# Altium PCB MB988.PcbDoc (part 3 of 4) (continued)
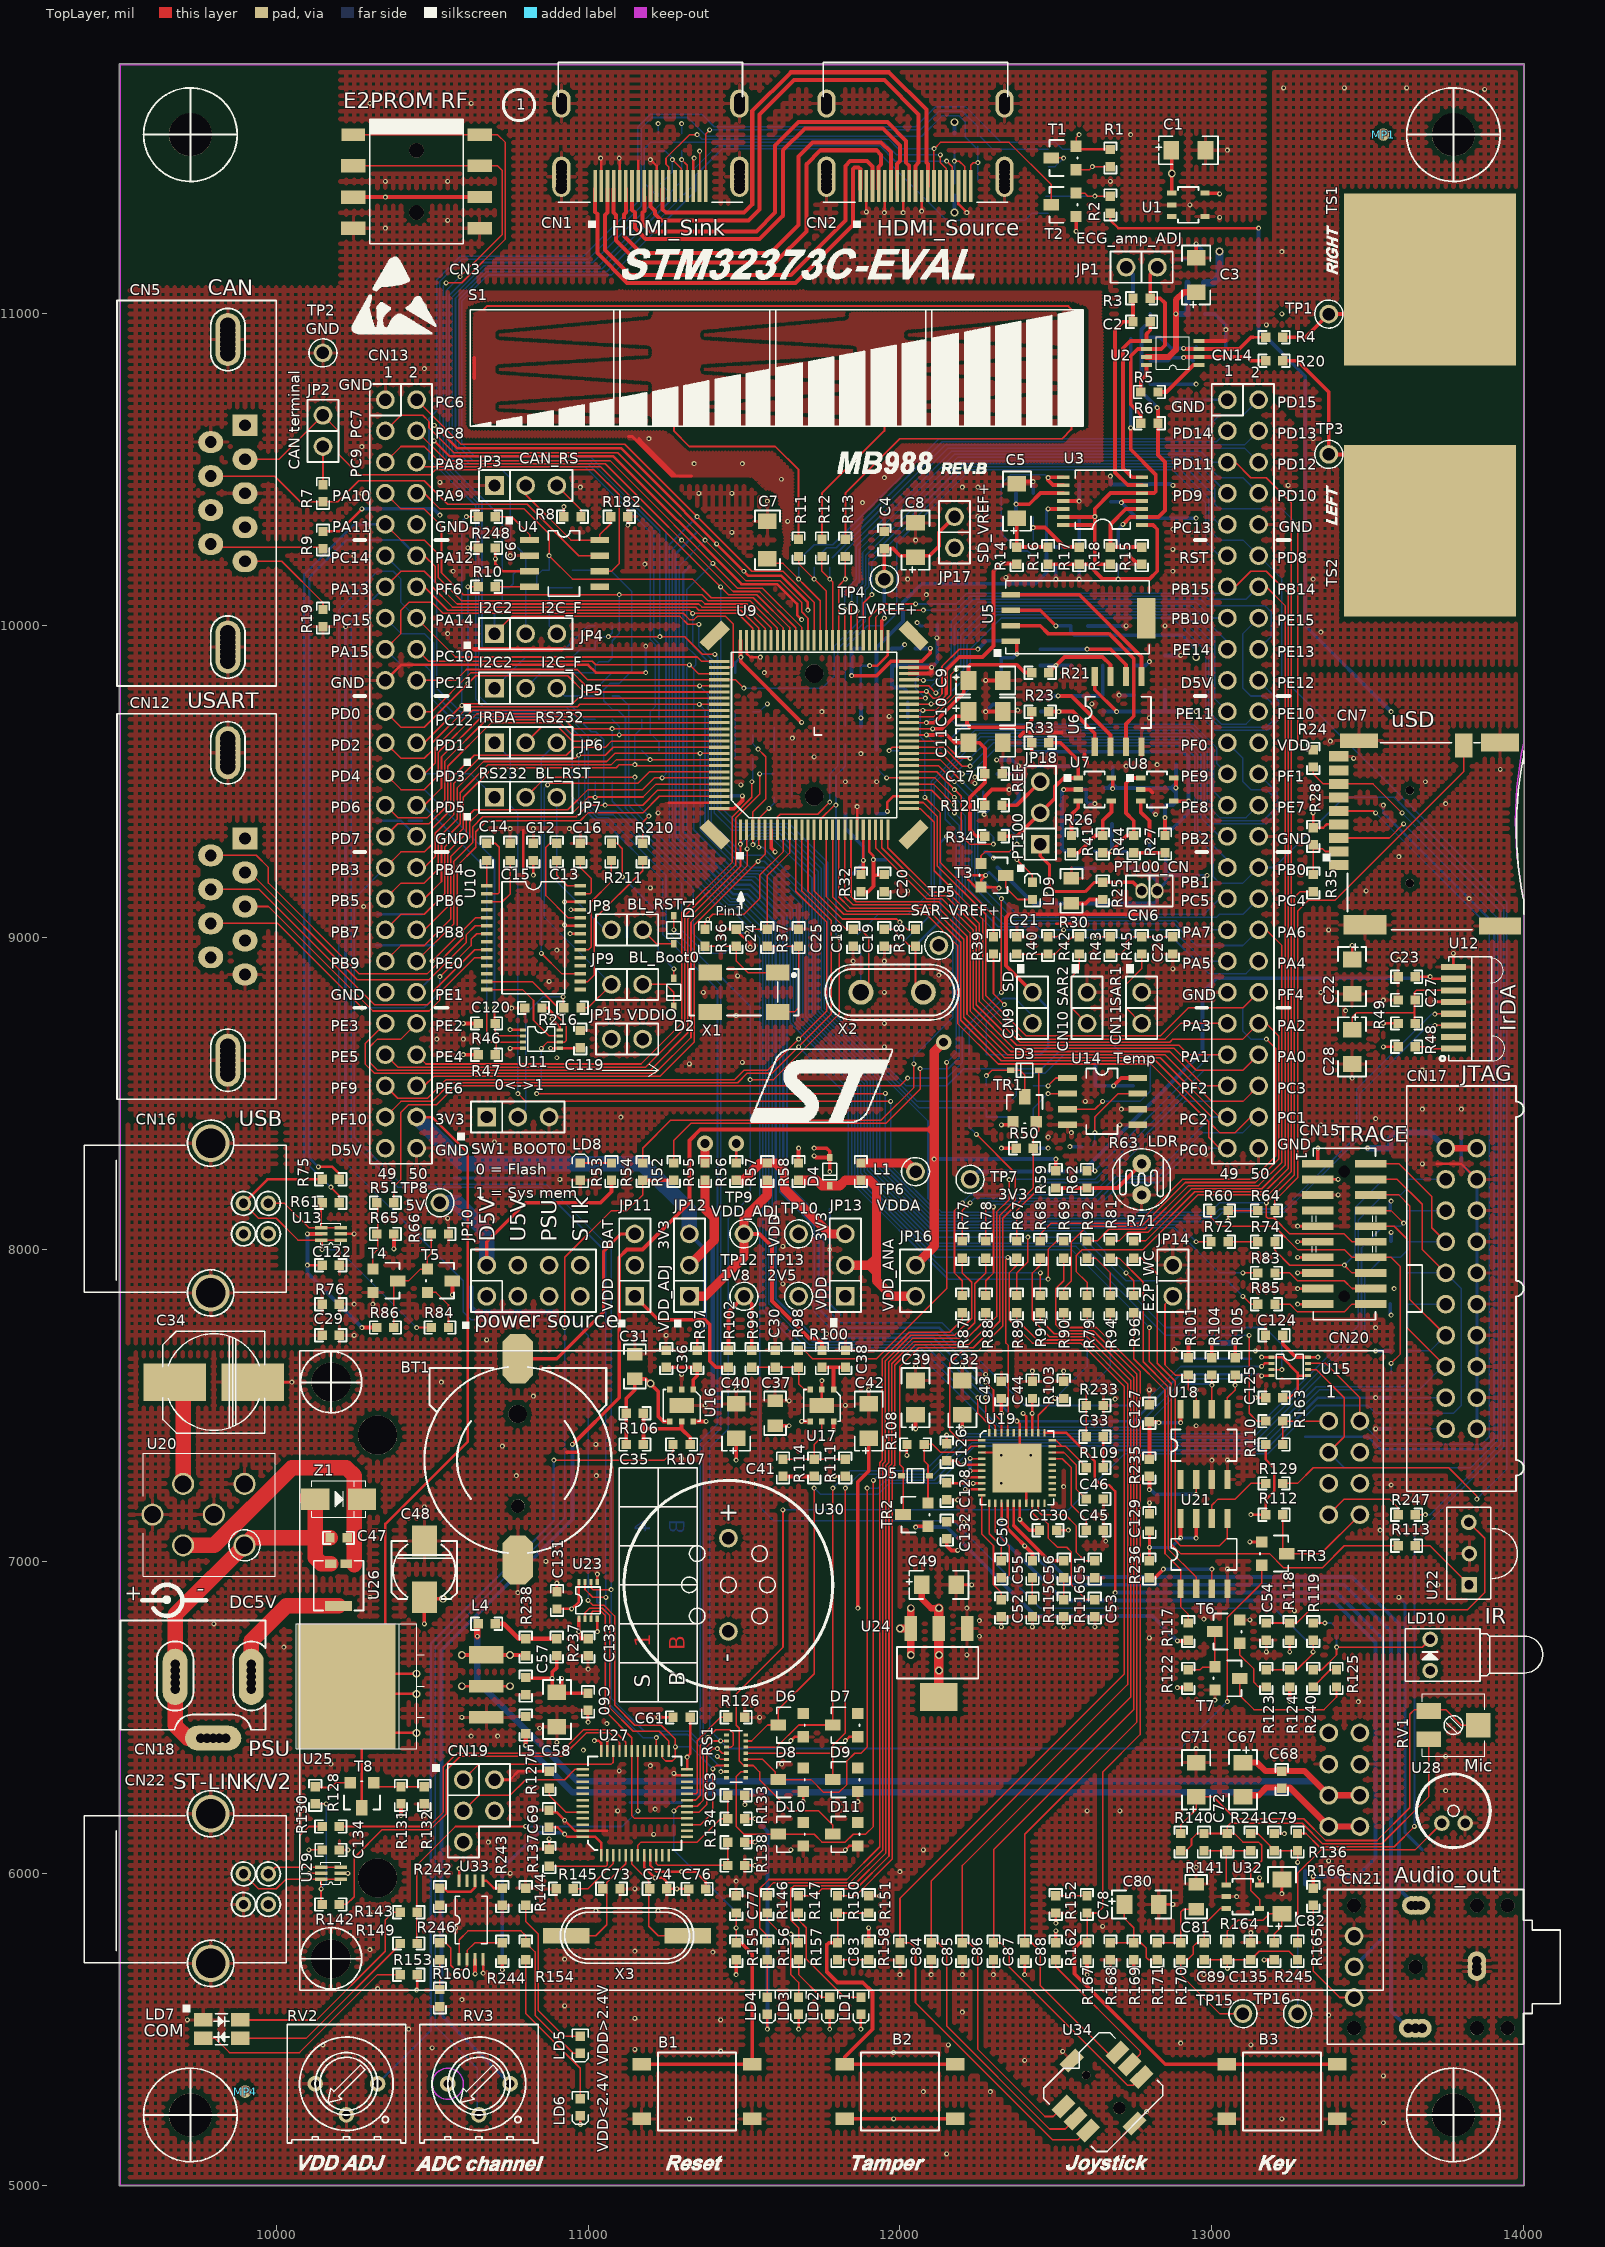
[diagram p0: TopLayer view]
## Nets (pads, with @x,y where several pads share a name; then routed paths per layer and width w, separated by ;. In a path a pad name is that pad's centre, name@x,y a point inside that pad or via, vN(x,y) a via of type N, cw(c..) or ccw(c..) an arc to the next point about the centre after c; other vN are vias at no path point) (continued)
NetU10_6: CN12.2 U10.6 | length 1004.3
  TopLayer w5: CN12.2@9900,9209 9916,9209 10260,8865 10490,8865 10610,8985 10610,9010 10638.39,9038.39 U10.6@10675.39,9038.39
NetU10_7: CN12.8 U10.7 | length 1137.1
  TopLayer w5: CN12.8@9790,9046 10004,9046 v1(10275,8775) ; v1(10525,8875) 10625,8975 10625,8995 10642.8,9012.8 U10.7@10675.39,9012.8
  BottomLayer w5: v1(10275,8775) 10475,8775 10525,8825 v1(10525,8875)
NetU10_9: CN12.7 U10.9 | length 1126.5
  TopLayer w5: CN12.7@9790,9155 9945,9155 10315,8785 10485,8785 10500,8800 10500,8825 10636.61,8961.61 U10.9@10675.39,8961.61
NetU10_10: CN12.3 U10.10 | length 999.6
  TopLayer w5: CN12.3@9900,9100 9975,9100 10310,8765 10490,8765 10525,8800 10525,8825 10636.02,8936.02 U10.10@10675.39,8936.02
NetU10_27: C16.1 U10.27 | length 154
  TopLayer w5: U10.27@10974.61,9140.75 11005.75,9140.75 11010,9145 11010,9190 10975.28,9224.72 C16.1@10975.28,9247.44
NetU14_7: R219.2 SB27.1 U14.7 | length 313.5
  TopLayer w5: v1(12625,8375) 12625,8425 12700,8500 U14.7@12762.5,8500
  BottomLayer w5: SB27.1@12618,8333 12625,8340 R219.2@12625,8422.5 ; R219.2@12627.5,8422.5 R219.2@12627.5,8425
NetU17_3: C30.1 R98.2 R99.1 U17.3 | length 250.7
  TopLayer w5: R99.1@11525,7622.5 C30.1@11600.28,7622.5 ; C30.1@11600.22,7622.5 C30.1@11600.28,7622.44 ; C30.1@11600.28,7619.72 C30.1@11600.28,7622.44 ; U17.3@11712.6,7551.18 11693.82,7551.18 11675,7570 R98.2@11675,7622.5 11674.94,7622.44 C30.1@11600.28,7622.44
NetU18_5: R105.1 R187.1 U18.5 | length 4055
  TopLayer w5: U18.5@13050,7487.5 13050,7525 13075,7550 R105.1@13075,7597.5
  BottomLayer w5: R187.1@11077.5,9775 11100,9775 11130,9745 11130,9425 11450,9105 11485,9105 11570,9020 11570,7815 11700,7685 12065,7685 12320,7430 12755.86,7430 12910.86,7585 13055,7585 v1(13075,7565)
NetU18_6: R104.1 R195.1 U18.6 | length 4591.1
  TopLayer w5: U18.6@13000,7487.5 R104.1@13000,7597.5
  BottomLayer w5: R195.1@10950,10177.5 11072.5,10177.5 11140,10110 11140,9855 11100,9815 11070,9815 11050,9795 11050,9760 11080,9730 11095,9730 11120,9705 11120,9415 11440,9095 11475,9095 11560,9010 11560,7805 11690,7675 12050.86,7675 12305.86,7420 12770,7420 12918.94,7568.94 12996.06,7568.94 v1(13000,7565)
NetU18_7: JP14.1 R101.2 U18.7 | length 439.2
  TopLayer w5: JP14.1@12875,7850 12850,7825 12850,7630 12882.5,7597.5 R101.2@12925,7597.5 12925,7550 12950,7525 U18.7@12950,7487.5
NetU19_4: U19.4 U19.6 U30.1 | length 1034
  TopLayer w5: v1(12225,7330) 12225.47,7329.53 U19.4@12262.01,7329.53
  TopLayer w8: v1(12225,7290.16) U19.6@12262.01,7290.16
  VCC w12: U30.1@11450,7074.61 12074.61,7074.61 12115,7115 12115,7210 12195.16,7290.16 v1(12225,7290.16)
  BottomLayer w12: v1(12225,7290.16) v1(12225,7330)
NetU19_7: U19.7 U19.9 U30.2 | length 1259.2
  TopLayer w5: v1@12210,7230 v1(12210,7231.1)
  TopLayer w8: v1(12210,7231.1) U19.9@12262.01,7231.1 ; v1(12210.47,7270.47) U19.7@12262.01,7270.47
  VCC w12: U30.2@11450,6775.39 11450,6960 11535,7045 12090,7045 12145,7100 12145,7200 12175,7230 v1@12210,7230
  BottomLayer w12: v1(12210,7231.1) 12210.47,7231.57 v1(12210.47,7270.47)
NetU19_14: C55.2 CN21.3 U19.14 | length 2801
  TopLayer w8: 12345.47,7104.53 U19.14@12345.47,7187.01
  TopLayer w12: 12345.47,7104.53 12425,7025 C55.2@12425,7002.5
  BottomLayer w12: v1(12400,7050) 12525,6925 13425,6925 13575,6775 13575,5558.15 CN21.3@13630,5503.15
NetU19_15: C56.2 CN21.2 U19.15 | length 2413.6
  TopLayer w8: 12365.16,7114.84 U19.15@12365.16,7187.01
  TopLayer w12: 12365.16,7114.84 12477.5,7002.5 C56.2@12525,7002.5
  BottomLayer w12: v1(12475,7005) 12530,6950 13450,6950 13600,6800 13600,5950 CN21.2@13653.15,5896.85
NetU19_18: C53.2 U19.18 | length 435.1
  TopLayer w5: U19.18@12424.21,7187.01 12424.21,7155.79 12445,7135 12460,7135 12475,7120 12475,7075 12505,7045 12535,7045 12550,7030 12550,6925 12597.5,6877.5 C53.2@12625,6877.5
NetU19_19: C51.2 U19.19 | length 322.5
  TopLayer w5: U19.19@12443.9,7187.01 12443.9,7161.1 12455,7150 12530,7150 12565,7115 12565,7030 12592.5,7002.5 C51.2@12625,7002.5
NetU19_27: C45.2 U19.27 | length 293.9
  TopLayer w5: U19.27@12487.99,7329.53 12520.47,7329.53 12550,7300 12550,7180 12597.5,7132.5 C45.2@12597.5,7100
NetU19_28: C46.2 U19.28 | length 216.7
  TopLayer w5: U19.28@12487.99,7349.21 12525.79,7349.21 12565,7310 12565,7232.5 C46.2@12597.5,7200
NetU19_29: R109.2 U19.29 U19.30 | length 179.7
  TopLayer w5: U19.29@12487.99,7368.9 12531.1,7368.9 12597.5,7302.5 R109.2@12597.5,7300 ; U19.30@12487.99,7388.58 12500.32,7388.58 12520,7368.9
NetU19_31: CN21.5 U19.31 | length 2672.4
  TopLayer w8: U19.31@12463.58,7412.99 12532.01,7412.99 12625,7320 12625,7265 12645,7245 12670,7245 12690,7225 v1(12690,6900)
  BottomLayer w12: v1(12690,6900) 13400,6900 13550,6750 13550,5793.7 CN21.5@13456.3,5700
NetU21_3: R236.2 U21.3 | length 273.9
  TopLayer w5: U21.3@13000,6912.5 v1(13000,6975)
  TopLayer w12: R236.2@12800,6947.5 12817.5,6947.5 v1(12845,6975)
  BottomLayer w12: v1(12845,6975) v1(13000,6975)
NetU22_3: C54.1 R118.1 U22.3 | length 984
  TopLayer w5: C54.1@13177.5,6802.5 13272.5,6802.5 13315,6845 13820,6845 13875,6900 13875,7074 U22.3@13824,7125
NetU26_3: C47.1 U20.1 U26.3 Z1.2 | length 946.7
  TopLayer w50: U20.1@9701.57,7051.57 9801.57,7051.57 10050,7300 10225,7300 10250,7275 10250,6990
NetU27_20: R126.1 U27.20 | length 328.8
  TopLayer w5: U27.20@11317.32,6254.53 11345,6254.53 11350,6259.53 11350,6425 11425,6500 R126.1@11447.5,6500
NetU27_44: R127.2 U27.44 | length 152.8
  TopLayer w5: R127.2@10875,6272.5 10875,6250 10929.53,6195.47 U27.44@10982.68,6195.47
NetU28_2: R165.2 U28.2 | length 751.6
  TopLayer w5: R165.2@13275,5777.5 13275,6000 13350,6075 13651.97,6075 U28.2@13737.6,6160.63
NetU33_1: LD5.1 R154.2 U33.1 | length 757.1
  TopLayer w5: U33.1@10586.61,5724.02 10586.61,5786.61 10615,5815 10785,5815 10800,5800 R154.2@10800,5777.5 10830,5747.5 10830,5545 10952.5,5422.5 LD5.1@10975,5422.5
NetX1_4: C25.1 R37.1 X1.4 | length 369.6
  TopLayer w5: R37.1@11575,8972.5 C25.1@11675,8972.5 11675,8775 11662.01,8762.01 X1.4@11608.27,8762.01
OSC_IN: C73.2 U27.5 X3.2 | length 392.2
  TopLayer w5: X3.2@10930,5800 11025,5800 11060,5835 11060,5970 11120.47,6030.47 U27.5@11120.47,6057.68
OSC_OUT: C74.2 U27.6 X3.1 | length 387.8
  TopLayer w5: U27.6@11140.16,6057.68 11140.16,6029.84 11195,5975 11195,5830 11225,5800 X3.1@11320,5800
PA0: CN14.44 R150.2 U9.23 | length 5372.1
  TopLayer w5: R150.2@11800,5927.5 11857.5,5927.5 11975,6045 11975,7299.79 11983.64,7308.43 11983.64,7628.64 12050,7695 12220,7695 12310,7785 12310,8120 12350,8160 v1(12350,8224) ; U9.23@11921.85,9345.87 11921.85,9288.15 12085,9125 12135,9125 12235,9025 12235,8775 12365,8645 12880,8645 12950,8575 13100,8575 CN14.44@13150,8625
  BottomLayer w5: v1(12350,8224) 12351,8225 12625,8225 12975,8575 13100,8575 CN14.44@13150,8625
PA1: CN14.43 R62.2 U9.24 | length 2191.4
  TopLayer w5: U9.24@11941.53,9345.87 11941.53,9288.47 12095,9135 12145,9135 12245,9035 12245,8785 12375,8655 12895,8655 12925,8625 CN14.43@13050,8625 ; R62.2@12600,8252.5 v1(12625,8252.5)
  BottomLayer w5: v1(12625,8252.5) 12997.5,8625 CN14.43@13050,8625
PA2: CN14.42 R90.2 U9.25 | length 3109.7
  TopLayer w5: U9.25@11961.22,9345.87 11961.22,9288.78 12105,9145 12155,9145 12255,9045 12255,8795 12385,8665 12865,8665 12875,8675 13100,8675 CN14.42@13150,8725 13175,8725 13215,8685 13215,8290 13140,8215 12915,8215 12775,8075 12600,8075 12550,8025 12550,7900 12525,7875 R90.2@12525,7852.5
PA3: CN14.41 R54.1 U9.26 | length 3287
  TopLayer w5: R54.1@11175,8277.5 11175,8325 11265,8415 11940,8415 12045,8520 v1(12045,8595) ; U9.26@12029.13,9413.78 12066.22,9413.78 12110,9370 12110,9215 12265,9060 12265,8805 12395,8675 12850,8675 12900,8725 CN14.41@13050,8725
  BottomLayer w5: v1(12045,8595) 12045,8620 12170,8745 12170,9155 v1(12160,9165)
PA4: CN14.38 R43.1 U9.29 | length 1578.4
  TopLayer w5: U9.29@12029.13,9472.83 12102.17,9472.83 v1(12175,9400) ; v1(12625,9000) 12627.5,9002.5 R43.1@12675,9002.5
  BottomLayer w5: v1(12175,9400) 12200,9375 12200,9125 12300,9025 12425,9025 12450,9000 12875,9000 12990,8885 13110,8885 CN14.38@13150,8925
PA5: CN14.37 R40.1 U9.30 | length 1461.7
  TopLayer w5: U9.30@12029.13,9492.52 12107.48,9492.52 v1(12175,9425) ; R40.1@12475,9002.5 12502.5,9002.5 v1(12525,9025)
  BottomLayer w5: v1(12175,9425) 12210,9390 12210,9140 12315,9035 12440,9035 12450,9025 12875,9025 12975,8925 CN14.37@13050,8925
PA6: CN14.36 R92.1 R201.1 U9.31 | length 3151.4
  TopLayer w5: v1(11957.2,9512.2) 12112.8,9512.2 v1(12175,9450) ; R92.1@12600,8027.5 12632.5,8027.5 12670,8065 12785,8065 12925,8205 13150,8205 13225,8280 13225,8975 13175,9025 CN14.36@13150,9025
  BottomLayer w5: R201.1@11925,9547.5 11925,9544.41 v1(11957.2,9512.2) ; v1(12175,9450) 12220,9405 12220,9155 12330,9045 12880,9045 12950,8975 13100,8975 CN14.36@13150,9025
PA7: CN14.35 R22.2 U9.32 | length 1709.4
  TopLayer w5: U9.32@12029.13,9531.89 12118.11,9531.89 12196.5,9453.5 12196.5,9328.5 12225,9300 v1(12300,9300)
  BottomLayer w5: v1(12175,9475) 12230,9420 12230,9170 12345,9055 12884.14,9055 12914.14,9025 CN14.35@13050,9025 ; R22.2@12272.5,9350 12300,9322.5 v1(12300,9300)
PA8: CN13.6 R215.2 U9.67 | length 4193.7
  TopLayer w5: CN13.6@10450,10525 10465,10510 11040,10510 11450,10100 11541.26,10100 11646.26,9995 U9.67@11646.26,9954.13
  BottomLayer w5: v1(11425,10125) 11425,9420 11480,9365 11645,9365 11768,9242 11768,8776.71 12019.71,8525 12150,8525 12205,8580 12455,8580 12530,8655 12685,8655 12715,8625 R215.2@12747.5,8625
PA9: CN13.8 JP4.2 R186.1 R189.1 U9.68 | length 1771
  TopLayer w5: CN13.8@10450,10425 10475,10425 10525,10375 10795,10375 10875,10295 v1(10875,10225) 10950,10150 11335,10150 11395,10090 11530,10090 11626.57,9993.43 U9.68@11626.57,9954.13
  BottomLayer w5: CN13.8@10450,10425 CN13.8@10475,10425 ; JP4.2@10800,9975 R189.1@10800,10122.5 10827.5,10122.5 10835,10130 10835,10160 10852.5,10177.5 R186.1@10875,10177.5 v1(10875,10225)
PA10: CN13.7 JP5.2 R191.1 R192.1 U9.69 | length 2105.5
  TopLayer w5: CN13.7@10350,10425 10400,10375 10475,10375 10530,10320 10530,10170 10600,10100 11365,10100 11385,10080 11520,10080 11606.89,9993.11 U9.69@11606.89,9954.13
  BottomLayer w5: JP5.2@10800,9800 10850,9850 R191.1@11022.5,9850 11022.5,9872.5 11035,9885 11065,9885 11077.5,9897.5 11077.5,9952.5 11100,9975 v1(11100,10100)
PA11: CN13.9 R61.1 U9.70 | length 3845.3
  TopLayer w5: v1(10175,8200) 10202.5,8172.5 R61.1@10202.5,8150 ; CN13.9@10350,10325 10400,10275 10475,10275 10520,10230 10520,10155 10595,10080 11365,10080 11375,10070 11510,10070 11587.2,9992.8 U9.70@11587.2,9954.13
  BottomLayer w7.5: v1(10175,8200) 10090,8285 10090,10165 10188.98,10263.98
  BottomLayer w8: 10188.98,10263.98 10250,10325 CN13.9@10350,10325
PA12: CN13.12 R75.1 U9.71 | length 3692.5
  TopLayer w5: CN13.12@10450,10225 10475,10225 10510,10190 10510,10140 10580,10070 11355,10070 11365,10060 11500,10060 11567.52,9992.48 U9.71@11567.52,9954.13
  TopLayer w8: v1(10135,8265) 10180,8265 10202.5,8242.5 R75.1@10202.5,8225
  BottomLayer w7.5: v1(10135,8265) 10106.4,8293.6 10106.4,10156.4 10225,10275 10400,10275 CN13.12@10450,10225
PA13: CN13.13 RS1.13 U9.72 U23.7 U27.27 | length 6213.6
  TopLayer w5: CN13.13@10350,10125 10400,10175 10475,10175 10500,10150 10500,10125 10565,10060 11345,10060 11355,10050 11490,10050 11547.83,9992.17 U9.72@11547.83,9954.13 ; U23.7@10990.16,6934.06 10990.16,6909.84 11015,6885 v1(11056.96,6885) ; U27.27@11218.9,6392.32 v1(11218.9,6435) ; v1(11425.79,6325.79) RS1.13@11444,6325.79
  BottomLayer w5: CN13.13@10350,10125 10240,10015 10240,8350 10390,8200 10850,8200 11056.96,7993.04 11056.96,6553.04 11175,6435 v1(11218.9,6435) 11228.9,6445 11320,6445 11425.79,6339.21 v1(11425.79,6325.79)
PA14: CN13.16 RS1.11 U9.76 U27.15 U27.26 | length 6332.4
  TopLayer w5: CN13.16@10450,10025 10575,9900 11350,9900 11363.78,9886.22 U9.76@11420.87,9886.22 ; v1(11000,6875) 11015,6860 11050,6860 11085,6825 11085,6540 11150,6475 11235,6475 11280,6430 11280,6370 11270,6360 11248.58,6360 11238.58,6370 U27.26@11238.58,6392.32 ; U27.15@11317.32,6156.1 11361.1,6156.1 11400,6195 v1(11400,6335) 11410.47,6345.47 RS1.11@11444,6345.47
  BottomLayer w5: CN13.16@10450,10025 10400,10075 10400,10150 10375,10175 10325,10175 10200,10050 10200,8300 10600,7900 10600,7800 10625,7775 10950,7775 11000,7725 v1(11000,6875) ; v1(11280,6405) 11330,6405 v1(11400,6335)
PA15: CN13.17 RS1.7 U9.77 U27.17 | length 6026.6
  TopLayer w5: CN13.17@10350,9925 10400,9975 10400,10050 10425,10075 10500,10075 10535,10040 11305,10040 11325,10020 11340,10020 11350,10030 11441.36,10030 11465,10006.36 11465,9870 11461.53,9866.53 U9.77@11420.87,9866.53 ; U27.17@11317.32,6195.47 11355.47,6195.47 11380,6220 11380,6380 11400,6400 v1(11415,6400) 11430.16,6384.84 RS1.7@11444,6384.84
  BottomLayer w5: CN13.17@10350,9925 10400,9875 10475,9875 10495,9855 10495,9770 10560,9705 10890,9705 10950,9645 10950,9450 11025,9375 11050,9375 11240,9185 11240,9010 11415,8835 11415,7440 11360,7385 11360,6434.68 11394.68,6400 v1(11415,6400)
PB0: CN14.32 R136.1 U9.35 | length 6091.4
  TopLayer w5: U9.35@12029.13,9590.94 12134.06,9590.94 v1(12200,9525) ; R136.1@13275,6127.5 13302.5,6127.5 13345,6085 13585,6085 v1(13650,6150)
  BottomLayer w5: v1(12200,9525) 12225,9525 12315,9615 12911,9615 12945.46,9580.54 12945.46,9329.54 13005,9270 13005,9195 13025,9175 13100,9175 CN14.32@13150,9225 13200,9225 13425,9450 13585,9450 13936.5,9098.5 13936.5,7366.5 13650,7080 v1(13650,6150)
PB1: C62.2 CN14.31 R52.1 U9.36 | length 3627.3
  TopLayer w5: R52.1@11275,8277.5 11275,8350 11330,8405 11955,8405 12065,8515 v1(12065,8580) ; v1(11965,9600) 11975.63,9610.63 12139.37,9610.63 12200,9550 v1(12225,9550)
  BottomLayer w5: v1(11965,9600) C62.2@11997.28,9600 ; v1(12065,8580) 12155,8580 12190,8615 12190,9360 12155,9395 12155,9505 12200,9550 v1(12225,9550) 12300,9625 12915.15,9625 12955.46,9584.68 12955.46,9344.54 13050,9250 CN14.31@13050,9225
PB2: CN14.29 R98.1 U9.37 | length 3669.1
  TopLayer w5: R98.1@11675,7677.5 11692.5,7677.5 11720,7650 11925,7650 12150,7875 v1(12150,8600) ; U9.37@12029.13,9630.32 12134.68,9630.32 12190,9575 v1(12225,9575)
  BottomLayer w5: v1(12150,8600) 12180,8630 12180,9345 12145,9380 12145,9516.72 12203.28,9575 v1(12225,9575) 12285,9635 12919.29,9635 12965.46,9588.82 12965.46,9384.54 13025,9325 CN14.29@13050,9325
PB3: CN13.31 RS1.9 U9.89 U23.6 | length 5180.7
  TopLayer w5: CN13.31@10350,9225 10400,9275 10475,9275 10500,9300 10500,9350 10560,9410 10560,9510 10635,9585 10930,9585 10955,9610 11055,9610 11075.32,9630.32 U9.89@11420.87,9630.32 ; U23.6@11009.84,6934.06 11009.84,6915.16 11015.82,6909.18 v1(11074.18,6909.18) ; v1(11415,6375) 11424.84,6365.16 RS1.9@11444,6365.16
  BottomLayer w5: CN13.31@10350,9225 10250,9125 10250,8360.36 10400.36,8210 10865,8210 11075,8000 v1@11075,6909.18 ; 11075,6858.35 11075,6560 11180,6455 11325,6455 11405,6375 v1(11415,6375) ; 11075,6859.18 v1@11075,6908.35
PB4: CN13.32 RS1.5 U9.90 U27.19 | length 5023.4
  TopLayer w5: CN13.32@10450,9225 10475,9225 10510,9260 10510,9335 10570,9395 10570,9495 10650,9575 10960,9575 v1(10970,9585) 11055,9585 11080.63,9610.63 U9.90@11420.87,9610.63 ; U27.19@11317.32,6234.84 11345,6234.84 11360,6249.84 11360,6410 v1@11385,6435 ; v1(11384.57,6435.43) 11409.15,6460 11455,6460 11465,6450 11465,6410 11459.53,6404.53 RS1.5@11444,6404.53
  BottomLayer w5: v1(10970,9585) 10970,9444.14 11029.14,9385 11065,9385 11250,9200 11250,9025 11425,8850 11425,7425 11370,7370 11370,6450 v1(11384.57,6435.43)
PB5: CN13.33 R113.1 U9.91 | length 5617.4
  TopLayer w5: CN13.33@10350,9125 10400,9175 10475,9175 10520,9220 10520,9320 10580,9380 10580,9480 10665,9565 11060,9565 11085.94,9590.94 U9.91@11420.87,9590.94 ; v1(12800,7750) 12800,7640 12870,7570 12870,7055 12900,7025 13185,7025 13230,6980 13355,6980 13425,7050 R113.1@13597.5,7050
  BottomLayer w5: v1(11359.06,9590.94) 11359.06,9345.94 11500,9205 11545,9205 11658,9092 11658,8731.14 11865,8524.14 11865,8240 12105,8000 12550,8000 v1(12800,7750)
PB6: CN13.34 R139.2 U9.92 | length 1327.1
  TopLayer w5: CN13.34@10450,9125 10475,9125 10530,9180 10530,9305 10590,9365 10590,9465 10680,9555 11075,9555 11091.26,9571.26 U9.92@11420.87,9571.26
  BottomLayer w5: R139.2@11172.5,9600 11198.74,9573.76 v1(11198.74,9571.26)
PB7: CN13.35 R148.2 U9.93 | length 1592.6
  TopLayer w5: CN13.35@10350,9025 10400,9075 10475,9075 10540,9140 10540,9290 10600,9350 10600,9450 10695,9545 11090,9545 11100,9555 v1(11150,9555) 11153.42,9551.58 U9.93@11420.87,9551.58
  BottomLayer w5: v1(11150,9555) 11150,9650 11172.5,9672.5 R148.2@11172.5,9700
PB8: CN13.36 R159.2 U9.95 | length 5543.5
  TopLayer w5: CN13.36@10450,9025 10475,9025 10550,9100 10550,9275 10610,9335 10610,9385 10635,9410 10935,9410 11000,9475 11175,9475 11212.2,9512.2 U9.95@11420.87,9512.2
  BottomLayer w5: v1(11237.2,9512.2) 11250,9525 11250,10300 11010,10540 10640,10540 10595,10585 10595,11041.72 10678.28,11125 11075,11125 11345,11395 11345,11445 11430,11530 11920,11530 12150,11300 12400,11300 12422.5,11322.5 R159.2@12475,11322.5
PB9: CN13.37 R249.2 U9.96 | length 1502.4
  TopLayer w5: CN13.37@10350,8925 10400,8975 10475,8975 10560,9060 10560,9260 10620,9320 10620,9370 10650,9400 10950,9400 11001.18,9451.18 11176.18,9451.18 11217.52,9492.52 U9.96@11420.87,9492.52
  BottomLayer w5: v1(11022.5,9450) R249.2@11022.5,9500
PB10: CN14.15 U9.47 | length 1208
  TopLayer w5: U9.47@12029.13,9827.17 12072.83,9827.17 v1(12075,9825)
  BottomLayer w5: v1(12075,9825) 12105.86,9825 12175,9894.14 12175,10000 12250,10075 12950,10075 13000,10025 CN14.15@13050,10025
PB14: CN14.14 R81.2 U9.53 | length 3915.1
  TopLayer w5: U9.53@11921.85,9954.13 11921.85,10026.85 11945,10050 v1(12075,10050) ; R81.2@12675,8027.5 12702.5,8027.5 12730,8055 12795,8055 12935,8195 13160,8195 13235,8270 13235,10065 13175,10125 CN14.14@13150,10125
  BottomLayer w5: v1(12075,10050) 12180,10050 12225,10095 12980,10095 12990,10085 13110,10085 CN14.14@13150,10125
PB15: CN14.13 R71.2 U9.54 | length 3922.4
  TopLayer w5: U9.54@11902.16,9954.13 11902.16,10027.16 11945,10070 v1(12050,10070) ; R71.2@12750,8027.5 12787.5,8027.5 12945,8185 13170,8185 13245,8260 13245,10105 13175,10175 13125,10175 CN14.13@13075,10125
  BottomLayer w5: v1(12050,10070) 12180,10070 12215,10105 13030,10105 CN14.13@13050,10125 CN14.13@13055,10125
PC0: CN14.49 R88.1 U9.15 | length 3133
  TopLayer w5: U9.15@11764.37,9345.87 11764.37,9130.63 11820,9075 12085,9075 12185,8975 12185,8725 12315,8595 12805,8595 12990,8410 12990,8360 13025,8325 CN14.49@13050,8325 ; R88.1@12275,7852.5 12275,7900 12300,7925 v1(12300,8137)
  BottomLayer w5: v1(12300,8137) 12308,8145 12641.57,8145 12711.57,8215 12830,8215 12940,8325 CN14.49@13050,8325
PC1: CN14.48 R78.1 U9.16 | length 3184.3
  TopLayer w5: U9.16@11784.05,9345.87 11784.05,9130.95 11830,9085 12095,9085 12195,8985 12195,8735 12325,8605 12820,8605 13000,8425 13000,8400 13025,8375 13075,8375 13125,8425 CN14.48@13150,8425 ; R78.1@12275,8027.5 v1(12275,8145)
  BottomLayer w5: v1(12275,8145) 12285,8155 12632.43,8155 12702.43,8225 12820,8225 12970,8375 13100,8375 CN14.48@13150,8425
PC2: CN14.47 R77.1 U9.17 | length 2971.6
  TopLayer w5: U9.17@11803.74,9345.87 11803.74,9131.26 11840,9095 12105,9095 12205,8995 12205,8745 12335,8615 12835,8615 13025,8425 CN14.47@13050,8425 ; R77.1@12200,8027.5 12200,8125 v1(12225,8150)
  BottomLayer w5: v1(12225,8150) 12240,8165 12623.28,8165 12693.28,8235 12810,8235 13000,8425 CN14.47@13050,8425
PC3: CN14.46 R87.1 U9.18 | length 3403.5
  TopLayer w5: U9.18@11823.42,9345.87 11823.42,9131.58 11850,9105 12115,9105 12215,9005 12215,8755 12345,8625 12850,8625 13000,8475 13100,8475 CN14.46@13150,8525 ; R87.1@12200,7852.5 12200,7900 12175,7925 12175,8125 v1(12200,8150)
  BottomLayer w5: v1(12200,8150) 12225,8175 12614.14,8175 12914.14,8475 13100,8475 CN14.46@13150,8525
PC4: CN14.34 U9.33 | length 1493.7
  TopLayer w5: U9.33@12029.13,9551.58 12123.42,9551.58 v1(12175,9500)
  BottomLayer w5: v1(12175,9500) 12240,9435 12240,9185 12360,9065 13015,9065 13025,9075 13100,9075 CN14.34@13150,9125
PC5: CN14.33 R51.2 U9.34 | length 4136.2
  TopLayer w5: R51.2@10377.5,8150 10377.5,8202.5 10400,8225 10400,8440 10425,8465 10515,8465 10575,8525 12000,8525 v1(12025,8550) ; U9.34@12029.13,9571.26 12128.74,9571.26 v1(12200,9500) ; v1@12324.8,8825.2 v1(12325,8825) v1(12325,9125)
  BottomLayer w5: v1(12025,8550) 12150,8550 12200,8600 12200,8700 v1(12325,8825) ; v1(12200,9500) 12250,9450 12250,9200 12375,9075 12975,9075 13025,9125 CN14.33@13050,9125
PC6: CN13.2 U9.63 U19.40 | length 5304.7
  TopLayer w5: CN13.2@10450,10725 10592.37,10582.63 11117.37,10582.63 11525,10175 11625,10175 11725,10075 U9.63@11725,9954.13 ; v1(12250,7525) 12250,7475 12286.42,7438.58 U19.40@12286.42,7412.99
  BottomLayer w5: v1(11350,10350) 11260,10260 11260,9310 11455,9115 11495,9115 11580,9030 11580,7825 11710,7695 12080,7695 v1(12250,7525)
PC7: CN13.3 U9.64 U19.38 | length 5285.7
  TopLayer w5: CN13.3@10350,10625 10400,10675 10470,10675 10490,10655 10490,10635 10570,10555 11095,10555 11505,10145 11615,10145 11685,10075 11685,10045 11705.31,10024.69 U9.64@11705.31,9954.13 ; v1(12275,7575) 12300,7550 12300,7475 12325.79,7449.21 U19.38@12325.79,7412.99
  BottomLayer w5: v1(11375,10275) 11293,10193 11293,9332 11470,9155 11515,9155 11615,9055 11615,8185 11725,8075 11725,7800 11795,7730 12120,7730 v1(12275,7575)
PC8: CN13.4 U9.65 U19.37 | length 4958.8
  TopLayer w5: CN13.4@10450,10625 10545,10530 11070,10530 11480,10120 11560,10120 11685.63,9994.37 U9.65@11685.63,9954.13 ; U19.37@12345.47,7412.99 12345.47,7450 12347.78,7452.31 12347.78,7692.22 12340,7700 12340,7969 v1(12346,7975)
  BottomLayer w5: v1(11400,10200) 11316,10116 11316,9934 11345,9905 11345,9874.35 11339,9868.35 11339,9346 11490,9195 11535,9195 11648,9082 11648,8727 11855,8520 11855,8235 12115,7975 v1(12346,7975)
  other v1: 12346,7975
PC9: CN13.5 U9.66 U19.39 | length 5167.8
  TopLayer w5: CN13.5@10350,10525 10400,10575 10475,10575 10530,10520 11055,10520 11465,10110 11550,10110 11665.94,9994.06 U9.66@11665.94,9954.13 ; v1(12275,7525) 12275,7464.14 12306.1,7433.04 U19.39@12306.1,7412.99
  BottomLayer w5: v1(11300,10275) 11270,10245 11270,9315 11460,9125 11505,9125 11590,9040 11590,7833.28 11718.28,7705 12095,7705 v1(12275,7525)
PC10: CN13.18 U9.78 U15.2 | length 4894.5
  TopLayer w5: CN13.18@10450,9925 10488.5,9886.5 11013.5,9886.5 11025,9875 v1(11325,9875) 11353.15,9846.85 U9.78@11420.87,9846.85
  TopLayer w8: v1(13160,7625) 13169.84,7634.84 U15.2@13190.94,7634.84
  BottomLayer w5: v1(11325,9875) 11316,9866 11316,9349 11480,9185 11525,9185 11638,9072 11638,8212 11755,8095 11755,7820 11810,7765 12135,7765 12400,7500 12775,7500 12900,7625 v1(13160,7625)
PC11: CN13.20 R24.1 U9.79 | length 4207.2
  TopLayer w5: CN13.20@10450,9825 10575,9825 10610,9860 10965,9860 10997.83,9827.17 11472.83,9827.17 v1(11500,9800) ; v1(13275,10325) 13275,9625 13297.5,9602.5 R24.1@13325,9602.5
  BottomLayer w5: v1(11500,9800) 11750,9800 11790,9840 11790,9935 11879.21,10024.21 11879.21,10119.21 11890,10130 11890,10225 12195,10530 12920,10530 13010,10440 13010,10390 13025,10375 13225,10375 v1(13275,10325)
PC12: CN13.22 U9.80 U15.3 | length 4526.6
  TopLayer w5: CN13.22@10450,9725 10500,9725 10625,9850 10950,9850 10992.52,9807.48 U9.80@11420.87,9807.48 ; U15.3@13190.94,7615.16 13191.1,7615 v1(13225,7615)
  BottomLayer w5: v1(11357.52,9807.48) 11385,9780 11385,9360 11520,9225 11565,9225 11678,9112 11678,8739.43 11885,8532.43 11885,8250 12115,8020 12580,8020 12850,7750 13170,7750 13225,7695 v1(13225,7615)
PC13: CN14.9 U9.7 | length 2463.1
  TopLayer w5: U9.7@11607.76,9345 U9.7@11606.89,9345.87 11606.89,9386.89 11616.13,9396.13 11736.13,9396.13 v1(11775,9435)
  BottomLayer w5: v1(11775,9435) 11775,9525 11800,9550 11800,9925 11889.21,10014.21 11889.21,10115 11900,10125.79 11900,10215 12205,10520 12905,10520 13000,10425 13000,10350 13025,10325 CN14.9@13050,10325
PC14: R36.2 SB25.1 U9.8 | length 517.6
  TopLayer w5: R36.2@11375,9027.5 11375,9050 11400,9075 11500,9075 11550,9125 11550,9200 11626.57,9276.57 U9.8@11626.57,9345.87
  BottomLayer w5: SB25.1@11375,9026 11375,9050 v1(11383.79,9058.79)
PC15: R37.2 SB26.1 U9.9 | length 446.3
  TopLayer w5: v1(11510,9015) 11522.5,9027.5 R37.2@11575,9027.5 11575,9200 11646.26,9271.26 U9.9@11646.26,9345.87
  BottomLayer w5: SB26.1@11483,9018 11486,9015 v1(11510,9015)
PD0: CN13.21 R10.1 U9.81 | length 1524
  TopLayer w5: CN13.21@10350,9725 10400,9675 10475,9675 10640,9840 10935,9840 10987.2,9787.8 U9.81@11420.87,9787.8 ; v1(10615,10125) R10.1@10647.5,10125
  BottomLayer w5: v1(10615,9815) v1(10615,10125)
PD1: CN13.24 R248.2 U9.82 | length 1678.9
  TopLayer w5: CN13.24@10450,9625 10475,9625 10600,9750 10950,9750 10968.11,9768.11 U9.82@11420.87,9768.11 ; v1(10610,10350) R248.2@10647.5,10350
  BottomLayer w5: v1(10595,9745) 10595,10335 v1(10610,10350)
PD2: CN13.23 R163.2 U9.83 | length 4695.8
  TopLayer w5: CN13.23@10350,9625 10400,9575 10475,9575 10500,9600 10500,9625 10615,9740 10965,9740 10973.42,9748.42 U9.83@11420.87,9748.42 ; v1(13120,7725) 13120,7475 13145,7450 R163.2@13172.5,7450
  BottomLayer w5: v1(11356.58,9748.42) 11375,9730 11375,9350 11510,9215 11555,9215 11668,9102 11668,8735.28 11875,8528.28 11875,8245 12110,8010 12565,8010 12850,7725 v1(13120,7725)
PD3: CN13.26 JP7.1 U9.84 | length 1365.6
  TopLayer w5: CN13.26@10450,9525 10475,9525 10510,9560 10510,9610 10628.74,9728.74 U9.84@11420.87,9728.74
  BottomLayer w5: CN13.26@10450,9525 10625,9525 JP7.1@10700,9450
PD4: CN13.25 R46.1 U9.85 U11.2 | length 2363.1
  TopLayer w5: CN13.25@10350,9525 10400,9475 10475,9475 10520,9520 10520,9595 10643.74,9718.74 10955,9718.74 10964.68,9709.06 U9.85@11420.87,9709.06 ; R46.1@10700,8712.5 v1(10700,8775) ; R46.1@10702.5,8725 10702.5,8697.5 10715.16,8684.84 U11.2@10790.94,8684.84
  BottomLayer w5: CN13.25@10350,9525 10400,9475 10475,9475 10700,9250 v1(10700,8775)
PD5: CN13.28 R47.1 U9.86 U11.3 | length 2178.8
  TopLayer w5: CN13.28@10450,9425 10475,9425 10530,9480 10530,9580 10658.74,9708.74 10941.26,9708.74 10960.63,9689.37 U9.86@11420.87,9689.37 ; v1(10675,8775) 10675,8680 10689.84,8665.16 U11.3@10790.94,8665.16 ; 10700,8665.16 10705,8660.16 10710,8665.16 ; R47.1@10705,8627.5 10705,8665.16
  BottomLayer w5: CN13.28@10450,9425 10470,9425 10675,9220 v1(10675,8775)
PD6: CN13.27 R199.1 U9.87 | length 1372.5
  TopLayer w5: CN13.27@10350,9425 10390,9385 10485,9385 10540,9440 10540,9565 10673.74,9698.74 10925,9698.74 10953.74,9670 11254.68,9670 ; 11254.68,9669.68 U9.87@11420.87,9669.68
  BottomLayer w5: R199.1@11077.5,9600 v1(11077.5,9670)
PD7: CN13.29 R135.1 U9.88 | length 1370.1
  TopLayer w5: CN13.29@10350,9325 10390,9365 10490,9365 10550,9425 10550,9550 10688.74,9688.74 10911.26,9688.74 10950,9650 U9.88@11420.87,9650
  BottomLayer w5: R135.1@11077.5,9700 11100,9677.5 v1(11100,9650)
PD8: CN14.12 R129.2 U9.55 | length 5890.6
  TopLayer w5: U9.55@11882.48,9954.13 11882.48,10072.48 v1(11910,10100) ; R129.2@13227.5,7250 13275,7250 13325,7300 13760,7300 13850,7210 v1(13850,7200)
  BottomLayer w5: v1(11910,10100) 11910,10205 12215,10510 12890,10510 12990,10410 12990,10310 13025,10275 13100,10275 13225,10150 13225,9835 13946.5,9113.5 13946.5,7296.5 v1(13850,7200)
PD9: CN14.7 U9.56 | length 1632
  TopLayer w5: U9.56@11862.79,9954.13 v1(11862.79,10047.79)
  BottomLayer w5: v1(11862.79,10047.79) 11862.79,10117.79 11880,10135 11880,10235 12185,10540 12935,10540 CN14.7@13050,10425
PD10: CN14.8 U9.57 | length 1760.1
  TopLayer w5: U9.57@11843.11,9954.13 11843.11,10070 v1(11845,10071.89)
  BottomLayer w5: v1(11845,10071.89) 11845,10115 11870,10140 11870,10245 12175,10550 12950,10550 13025,10475 13100,10475 CN14.8@13150,10425
PD11: CN14.5 R79.2 U9.58 | length 4969.5
  TopLayer w5: U9.58@11823.42,9954.13 v1(11823.42,10051.58) ; R79.2@12600,7852.5 12600,7895 12565,7930 12565,7980 12585,8000 12780,8000 12955,8175 13180,8175 13255,8250 13255,10395 13175,10475 13125,10475 CN14.5@13075,10525
  BottomLayer w5: v1(11823.42,10051.58) 11823.42,10113.42 11860,10150 11860,10255 12165,10560 12965,10560 13000,10525 CN14.5@13050,10525
PD12: R13.1 SB11.2 U9.59 | length 314.2
  TopLayer w5: U9.59@11803.74,9954.13 11803.74,10128.74 v1(11825,10150) R13.1@11825,10222.5
  BottomLayer w5: v1(11825,10150) SB11.2@11825,10187
PD13: R12.1 SB10.2 U9.60 | length 319.5
  TopLayer w5: R12.1@11750,10222.5 11750,10175 11784.05,10140.95 U9.60@11784.05,9954.13
  BottomLayer w5: v1(11775,10150) SB10.2@11775,10187
PD14: R11.1 SB9.2 U9.61 | length 342.4
  TopLayer w5: R11.1@11675,10222.5 11675,10200 11764.37,10110.63 U9.61@11764.37,9954.13
  BottomLayer w5: v1(11725,10150) SB9.2@11725,10187
PD15: C7.2 SB8.2 U9.62 | length 382.4
  TopLayer w5: C7.2@11575,10200 11625,10200 11744.68,10080.32 U9.62@11744.68,9954.13
  BottomLayer w5: v1(11675,10150) SB8.2@11675,10187